# KiCad board amix 68k(r1).kicad_pcb (continued)
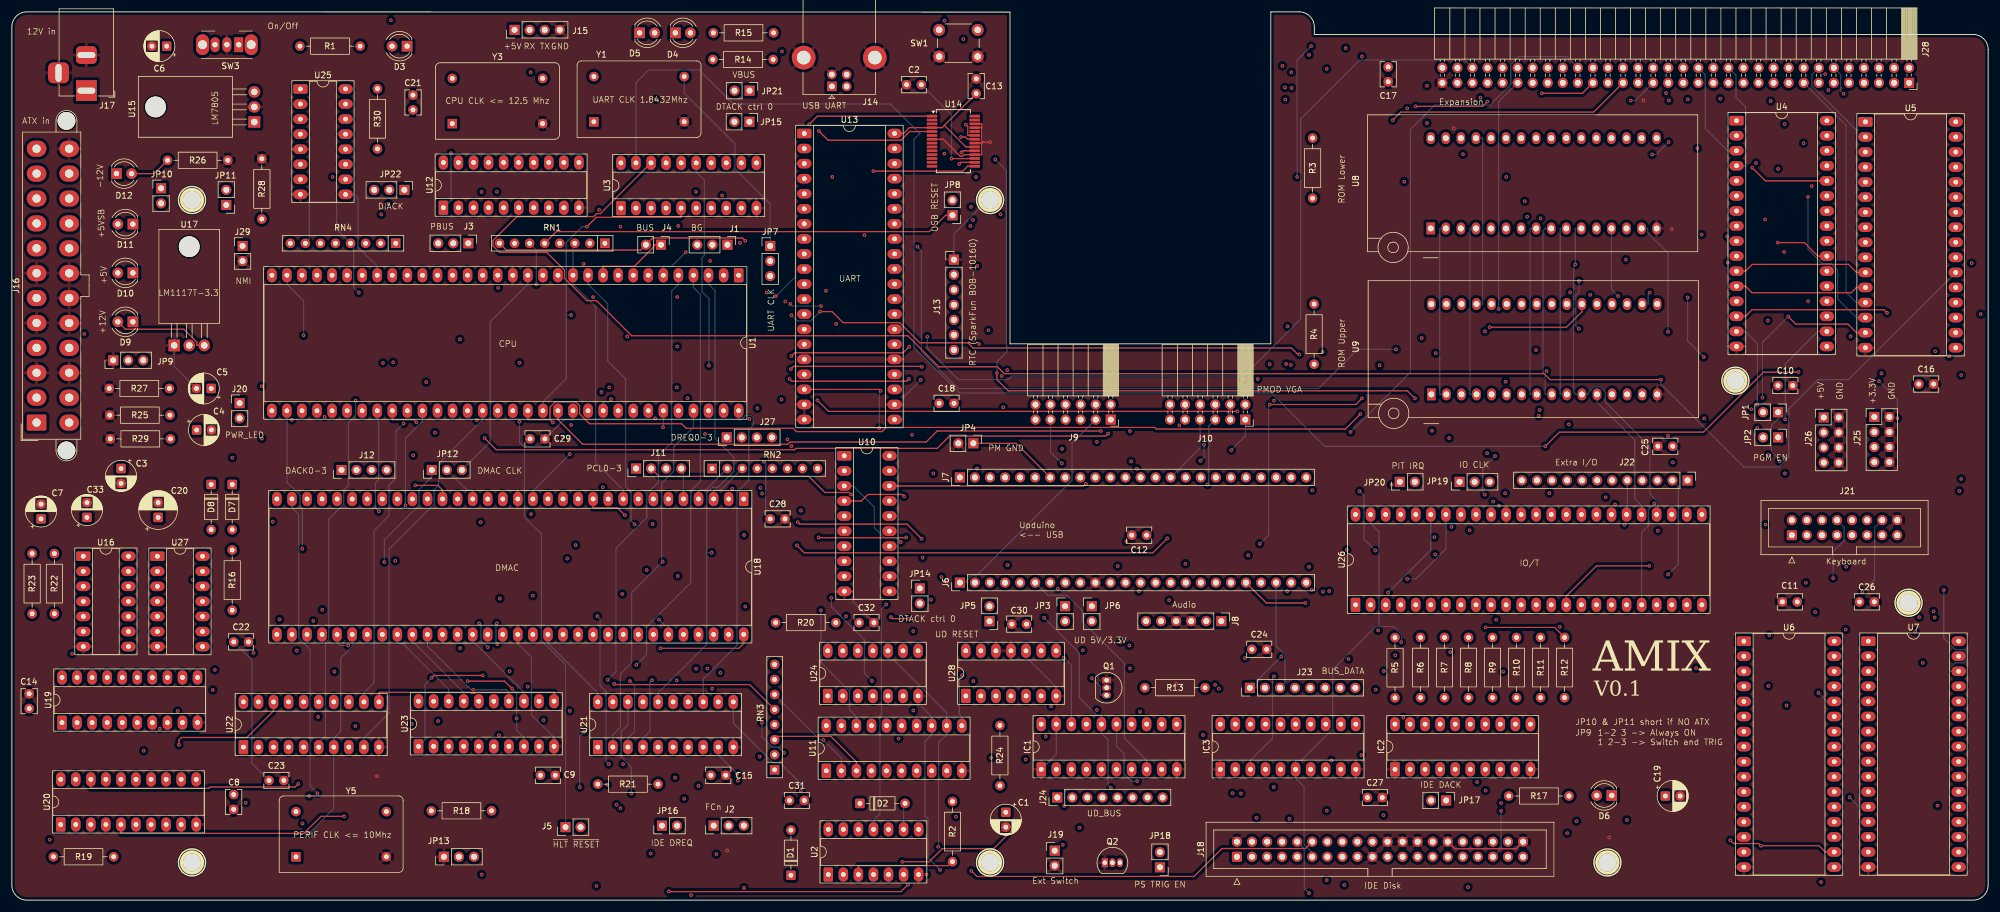
[diagram p0: board, top side]
## Routing (per net, layer and track width the routed paths; a pad name or vN(x,y) marks a point on that pad's centre or on a via; arc(x,y) is an arc through that point) (continued)
~{IRQ_6}: length 310.2
  In1.Cu w0.2: v1(127.32,102.51) 127.32,87.93 130.83,84.42 v1(130.83,77.71) ; v1(214.74,137.1) 215.42,136.42 215.42,123.17 215.01,122.76 215.01,121.26 215.42,120.85 215.42,97.58 215.23,97.39 214.95,97.39 214.6,97.04 214.6,96.52 214.92,96.19 214.92,91.61 212.91,89.6 v1(212.91,84.28)
  In2.Cu w0.2: v1(130.83,77.71) 131.08,77.46 156.91,77.46 158.11,78.66 165.92,78.66 172.04,84.78 177.93,84.78 178.36,85.21 210.89,85.21 211.82,84.28 v1(212.91,84.28) ; v1(127.32,102.51) 97.2,102.51 96.58,101.88 55.41,101.88 52.75,104.54 52.75,107.58 RN4.7 ; v1(214.74,137.1) 216.87,139.23 244.34,139.23 245.05,139.94 245.05,140.72 245.93,141.59 247.75,141.59 J28.58
  Bottom w0.2: RN4.7 50.17,111.48 50.17,131.77 U25.3
~{IRQ_7}: length 30
  In1.Cu w0.2: 50.34,125.45 50.17,125.62 ; 50.34,125.45 50.17,125.62 ; 50.34,125.45 50.57,125.22 50.57,114.42 RN4.8 ; 50.17,125.62 50.17,129.23 U25.4
  In2.Cu w0.2: RN4.8 40.53,110.82 40.07,110.36 J29.1
~{IRQ_PIT}: length 303.3
  Top w0.2: v1(166.17,88.93) 166.17,87.82 168.06,85.93 235.42,85.93 v1(236.68,84.66)
  In1.Cu w0.2: v1(157.32,148.38) 163.21,148.38 165.9,145.7 v1(165.9,124.95) ; v1(63.94,148.43) 61.67,146.16 R30.1 ; RN4.5 53.15,112.26 53.15,132.37 U25.1 ; v1(236.68,84.66) 236.67,84.65 JP20.2
  In2.Cu w0.2: v1(157.32,148.38) 63.98,148.38 v1(63.94,148.43) ; R30.1 61.67,136.97 60.66,137.97 49.79,137.97 U25.1
  Bottom w0.2: v1(166.17,88.93) 166.17,90.82 167.86,92.51 167.86,93.52 167.77,93.61 167.77,123.08 v1(165.9,124.95)
~{IRQ_UART}: length 200.9
  In1.Cu w0.2: v1(143.83,112.19) 143.83,51 146.52,48.31 146.52,39.38 143.89,36.76 143.89,19.47 147.88,15.49 U2.10
  In2.Cu w0.2: U25.11 57.79,124.15 59.26,122.68 59.26,120.05 61.08,118.23 63.42,118.23 63.53,118.34 75.31,118.34 ; U12.2 75.33,118.32 81.44,118.32 81.44,118.32 82.23,118.32 82.24,118.32 91.04,118.32 92.01,117.36 92.01,115.96 95.17,112.8 106.13,112.8 ; 106.23,112.89 106.13,112.8 ; 106.23,112.89 106.13,112.8 ; 106.23,112.89 106.46,113.13 115.01,113.13 115.33,112.8 143.22,112.8 v1(143.83,112.19)
~{IRQX}: length 245.8
  In1.Cu w0.2: v1(162.19,36.95) 162.19,49.17 158.77,52.59 158.77,72.29 160.98,74.51 160.98,81.85 161.34,82.2 161.34,106.24 160.69,106.88 160.69,111.39 157.43,114.66 157.43,125.82 v1(157.31,125.94) ; RN4.2 57.79,115.24 57.79,121.61 U25.10
  In2.Cu w0.2: v1(74.08,126.02) 75.99,127.94 155.31,127.94 v1(157.31,125.94) ; U12.1 61.35,116.82 57.79,120.38 57.79,121.61 U25.10 ; v1(182.18,37.45) 162.69,37.45 v1(162.19,36.95)
  Bottom w0.2: v1(182.18,37.45) 183.62,36.01 183.62,34.57 Q1.3 ; v1(74.08,126.02) 74.08,118.11 U12.1
~{LDS}: length 366.4
  Top w0.2: U11.3 142.47,23.32 138.17,27.62 129.22,27.62 RN3.3
  In1.Cu w0.2: v1(188.61,79.13) 188.82,78.92 v1(188.82,74.02) ; v1(126.27,69.55) 125.97,69.25 125.97,44.92 130.19,40.7 130.19,28.59 RN3.3 ; U3.8 120.52,115.26 116.99,111.73 116.99,108.65 v1(117.78,107.86) ; U1.8 104.82,103.93 100.18,99.29 100.18,84.56 100.86,83.89 100.86,70.81 v1(99.68,69.63) ; v1(262.64,80.27) 263.73,81.36 263.73,102.29 266.22,104.78 266.22,134.86 J28.41
  In2.Cu w0.2: U18.13 92.97,69.18 93.42,69.63 v1(99.68,69.63) 120.89,69.63 121.26,70.01 121.76,70.01 122.14,69.63 126.18,69.63 v1(126.27,69.55) 136.05,69.55 138.92,72.42 U10.2 145.56,72.42 146.83,73.69 162.22,73.69 162.86,74.33 179.13,74.33 179.44,74.02 v1(188.82,74.02) ; U1.8 104.82,106.93 105.75,107.86 v1(117.78,107.86) ; v1(188.61,79.13) 218.67,79.13 219.81,80.27 v1(262.64,80.27)
~{PGM_L}: length 125.1
  In1.Cu w0.2: 295.15,114.74 295.15,114.59 295.51,114.24 295.51,85.41 295.91,85.01 295.91,82.82 295.4,82.32 ; 295.15,114.74 295.11,114.78 ; 295.15,114.74 295.11,114.78 ; 295.11,114.78 295.11,119.1 294.87,119.34 ; 294.48,121.22 294.38,121.32 ; 294.48,121.22 294.78,120.92 294.78,119.43 ; 294.48,121.22 294.38,121.32 ; 294.38,121.32 294.38,124.17 v1(294.22,124.34) ; 294.87,119.34 294.78,119.43 ; 294.87,119.34 294.78,119.43
  In2.Cu w0.2: 240.87,128.32 230.96,118.41 R3.1 ; 240.87,128.32 240.87,128.56 U8.31 ; 240.87,128.32 244.06,125.13 293.16,125.13 293.96,124.34 v1(294.22,124.34)
~{PGM_U}: length 102.9
  In1.Cu w0.2: 241.48,100.57 240.97,100.57 240.97,79.42 v1(242.44,77.95) ; 241.48,100.57 U9.31 241.48,100.57 ; v1(294.44,79.64) 295.4,78.67 295.4,78.07
  In2.Cu w0.2: U9.31 240.97,100.57 240.97,100.77 239.87,101.87 220.97,101.87 R4.1 ; v1(242.44,77.95) 244.13,79.64 v1(294.44,79.64)
~{PPI_CS}: length 127.6
  In1.Cu w0.2: U11.15 150.09,30.94 151.86,30.94 154.37,33.45 154.37,57.02 153.64,57.75 153.64,57.78 v1(153.64,57.78)
  In2.Cu w0.2: 231.87,57.95 238.83,57.95 244.44,63.56 U26.41 ; 231.87,57.95 231.71,57.78 ; 231.87,57.95 231.71,57.78 ; 231.71,57.78 231.54,57.95 209.18,57.95 208.81,57.58 208.31,57.58 208.11,57.78 191.48,57.78 191.08,58.18 185.8,58.18 185.56,57.95 ; 166.9,57.95 167.06,57.78 185.4,57.78 ; 166.9,57.95 166.73,57.78 ; 166.9,57.95 166.73,57.78 ; 185.56,57.95 185.4,57.78 ; 185.56,57.95 185.4,57.78 ; v1(153.64,57.78) 153.64,57.78 166.73,57.78
~{PS_ON}: length 10.8
  In2.Cu w0.2: JP9.2 17.53,93.17 J16.16
~{RAM0_L_CS}: length 284.4
  Top w0.2: v1(301.38,89.11) 301.35,89.07 295.47,89.07 285.35,78.95 261.05,78.95 v1(258.67,76.57)
  In1.Cu w0.2: U4.22 304.67,106.11 301.38,102.82 v1(301.38,89.11)
  Bottom w0.2: v1(258.67,76.57) 221.47,76.57 212.47,85.57 159.85,85.57 152.16,93.26 152.16,128.31 153.17,129.32 148.17,134.32 121.67,134.32 115.95,140.04 107.39,140.04 105.28,137.93 U3.19
~{RAM0_U_CS}: length 314.8
  Top w0.2: U3.18 107.82,124.37 99.27,115.82 98.64,115.82 98.14,115.32 85.2,115.32 81.16,111.28 81.16,110.36 82.25,109.27 90.24,109.27 93.22,106.29 93.22,104.91 97,101.14 98.64,101.14 104.56,95.22 151.12,95.22 156.36,89.98 166.26,89.98 167.42,88.82 258.47,88.82 259.47,87.82 v1(278.17,87.82)
  Bottom w0.2: U5.22 309.83,87.82 304.67,87.82 299.75,82.9 299.75,74.74 298.08,73.07 292.17,73.07 278.17,87.07 v1(278.17,87.82)
~{RAM1_L_CS}: length 292
  In1.Cu w0.2: v1(162.64,122.01) 162.64,116.62 166.99,112.27 166.99,92.25 167.85,91.39 170.32,91.39 170.32,91.39 171.47,91.39 172.06,90.8 172.06,89.83 173.89,88 173.89,63.6 181.51,55.98 181.51,53.19 183.38,51.32 183.38,32.44 v1(183.02,32.08) ; U6.22 305.91,18.28 299.37,24.82 v1(299.37,32.84)
  In2.Cu w0.2: U3.17 110.36,125.88 110.77,126.29 130.56,126.29 131.32,125.53 156.87,125.53 160.39,122.01 v1(162.64,122.01) ; v1(299.37,32.84) 294.35,32.84 293.91,32.4 183.34,32.4 v1(183.02,32.08)
~{RAM1_U_CS}: length 316.2
  In1.Cu w0.2: 325.88,26.82 325.24,27.45 325.24,44.9 329.13,48.79 329.13,70.76 v1(328.82,71.07) ; 325.88,26.82 326.03,26.66 ; 325.88,26.82 326.03,26.66 ; v1(183.01,77.32) 182.38,77.32 179.05,80.65 179.05,81.41 178.06,82.4 177.28,82.4 176.48,83.2 176.48,86.01 172.46,90.03 172.46,90.97 171.64,91.79 171.61,91.82 167.99,91.82 167.39,92.42 167.39,115.08 v1(166.77,115.7) ; 326.03,26.66 326.03,19.16 326.9,18.29 U7.22
  In2.Cu w0.2: v1(328.82,71.07) 327.9,71.99 301.13,71.99 297.39,75.74 282.84,75.74 282.57,75.47 279.69,75.47 279.07,76.09 279.07,77.04 280.03,78 280.03,78.62 279.69,78.96 244.65,78.96 243.01,77.32 201.45,77.32 201.33,77.43 183.12,77.43 v1(183.01,77.32) ; U3.16 112.9,122.88 115.47,120.31 159.31,120.31 163.92,115.7 v1(166.77,115.7)
~{RD_L}: length 319.6
  In1.Cu w0.2: 300.1,79.89 299.96,80.04 ; 300.1,79.89 299.96,80.04 ; 300.1,79.89 300.1,72.99 v1(299.1,71.99) 299.1,58.97 300.06,58.01 300.06,29.2 305.91,23.36 U6.24 ; 299.96,80.04 300.15,80.23 300.15,82.91 296.81,86.25 296.81,87.91 300.37,91.47 300.37,106.89 304.67,111.19 U4.24 ; v1(284.34,126.84) 285.04,126.13 v1(285.04,112.28)
  In2.Cu w0.2: U4.24 304.67,111.19 304.27,111.59 293.21,111.59 292.22,112.58 285.34,112.58 v1(285.04,112.28) ; 232.75,71.89 239.5,71.89 242.01,69.38 247.2,69.38 248.02,70.2 248.02,70.99 251.47,74.44 296.65,74.44 v1(299.1,71.99) ; 232.75,71.89 232.61,71.75 ; 232.75,71.89 232.61,71.75 ; v1(284.34,126.84) 262.15,126.84 260.69,128.3 260.69,128.56 U8.24 ; 223.76,71.58 223.42,71.58 221.59,69.75 219.12,69.75 218.9,69.52 152.44,69.52 149.54,72.42 U10.19 ; 223.76,71.58 223.93,71.74 ; 223.76,71.58 223.93,71.74 ; 223.93,71.75 232.61,71.75
~{RD_U}: length 313.4
  In1.Cu w0.2: U5.24 329.41,110.98 329.41,97.73 329.96,97.19 329.96,89.84 328.82,88.71 v1(328.82,88.57) 328.67,88.42 328.67,72.07 329.53,71.21 329.53,48.95 329.53,48.62 329.29,48.38 328.67,47.76 328.67,47.76 325.64,44.73 325.64,28 326.04,27.6 326.04,27.22 326.05,27.22 326.14,27.12 326.45,26.82 326.45,23.82 326.9,23.37 U7.24 ; U10.17 146.54,67.34 146.54,67.58 146.6,67.63 146.86,67.63 147.21,67.99 147.21,68.39 147.27,68.45 148.57,68.45 149.54,69.42 149.54,72.88 148.9,73.52 147.5,73.52 146.54,74.49 146.54,79.01 147.41,79.88 147.41,81.08 U13.21
  In2.Cu w0.2: 260.79,98.32 256.01,93.55 225.18,93.55 219.96,88.32 211.03,88.32 210.44,88.91 204.74,88.91 204.47,88.64 169.75,88.64 169.65,88.54 ; 260.79,98.32 263.25,98.32 270.59,90.99 328.41,90.99 328.82,90.58 v1(328.82,88.57) ; 260.79,98.32 260.79,100.57 U9.24 ; 169.65,88.54 168.89,87.78 v1(153.31,87.78) ; 169.65,88.54 169.65,88.54 169.65,88.54
  Bottom w0.2: U13.21 150.41,81.08 150.41,84.88 v1(153.31,87.78)
~{RESET}: length 492.7
  Top w0.2: RN1.5 91.85,112.79 154.76,112.79 157.52,115.54 JP8.1
  In1.Cu w0.2: J18.1 198,15.98 198,26.69 196.5,28.19 IC1.11 196.5,31.19 197.56,32.25 197.56,52.06 196.87,52.75 196.87,55.67 v1(197.96,56.76) ; v1(167.95,56.54) 167.95,69.83 168.75,70.63 168.75,82.26 171.66,85.17 171.66,90.63 171.31,90.99 167.25,90.99 164.72,93.52 164.72,95.13 164.72,95.3 164.72,95.3 164.61,95.42 164.49,95.53 163.61,96.41 163.61,106.48 163.61,113.27 v1(162.12,114.76) ; U26.39 249.52,66.56 249.28,66.8 249.28,67.49 249.63,67.85 249.63,68.06 250.81,69.24 v1(250.81,99.73)
  In2.Cu w0.2: U26.39 249.52,63.56 246.18,63.56 239.46,56.84 209.2,56.84 209.13,56.76 v1(197.96,56.76) 191.08,56.76 190.86,56.98 185.93,56.98 185.49,56.54 v1(167.95,56.54) ; RN1.5 87.49,108.43 80.91,108.43 79.42,106.93 U1.18 ; J18.1 203.54,10.44 150.42,10.44 U2.9 150.42,13.44 149.98,13.88 126.32,13.88 126.08,13.64 126.08,13.56 123.94,11.42 120.89,11.42 120.49,11.02 116.32,11.02 113.61,13.73 97.34,13.73 J5.2 ; JP8.1 161.33,115.54 v1(162.12,114.76)
  Bottom w0.2: U2.9 150.42,16.07 D2.2 ; v1(250.81,99.73) 250.81,134.69 J28.53
~{ROM_L_CS}: length 215.1
  In1.Cu w0.2: U8.22 263.73,128.56 263.73,108.32 262.87,107.46 v1(262.87,102.54)
  In2.Cu w0.2: v1(117.59,90.19) 131.63,90.19 131.69,90.13 152.79,90.13 153.3,90.64 203.64,90.64 203.91,90.91 211.27,90.91 211.41,90.77 211.41,90.77 211.56,90.62 211.57,90.62 211.57,90.67 211.92,91.02 212.42,91.02 212.77,90.67 212.77,90.32 214.24,90.32 214.35,90.43 214.35,90.71 214.7,91.06 215.16,91.06 218.07,93.97 247.45,93.97 253.28,99.8 253.28,100.92 254.89,102.54 v1(262.87,102.54)
  Bottom w0.2: v1(117.59,90.19) 117.59,101.46 116.42,102.63 116.42,108.36 116.82,108.77 116.82,121.49 115.44,122.88 U3.15
~{ROM_U_CS}: length 177.7
  Top w0.2: U9.22 264.85,99.27 262.24,96.65 v1(249.28,96.65)
  In1.Cu w0.2: U3.14 117.98,120.7 v1(119.81,118.88) ; v1(161.7,113.74) 162.06,113.38 162.06,106.94 162.81,106.19 162.81,96.08 163.17,95.72 v1(163.17,93.82)
  In2.Cu w0.2: v1(249.28,96.65) 218.75,96.65 214.37,92.27 211.15,92.27 211,92.12 203.41,92.12 203.14,91.84 172.84,91.84 172.83,91.85 165.14,91.85 v1(163.17,93.82) ; v1(119.81,118.88) 129.23,118.88 132.57,115.54 149.43,115.54 151.23,113.74 v1(161.7,113.74)
~{UART_CS}: length 71.9
  In1.Cu w0.2: U13.14 135.17,96.32 137.05,94.45 137.05,49.46 v1(136.48,48.89)
  Bottom w0.2: v1(136.48,48.89) 136.48,40.1 141.27,35.3 141.27,32.14 142.47,30.94 U11.18
~{UDS}: length 388.5
  Top w0.2: J28.39 266.84,132.94 234.29,132.94 v1(232.94,131.58)
  In1.Cu w0.2: v1(232.94,131.58) 225.16,123.8 225.16,59.22 225.17,59.2 v1(225.17,59.1) ; RN3.2 130.6,26.46 130.6,48.45 126.57,52.48 v1(126.57,68.6) ; U3.9 123.06,115.26 122.84,115.04 v1(122.84,110.89) 123.73,110 123.73,81.05 121.94,79.26 121.94,69.83 v1(121.51,69.41)
  In2.Cu w0.2: U11.4 145.01,23.32 144.89,23.2 144.56,23.2 144.04,23.73 129.47,23.73 RN3.2 ; 121.51,69.2 125.76,69.2 126.08,68.89 126.57,68.89 ; 121.51,69.2 100.1,69.2 99.93,69.03 99.43,69.03 99.27,69.18 95.51,69.18 U18.12 ; 121.51,69.2 v1(121.51,69.41) ; v1(122.84,110.89) 122.84,110.55 119.23,106.93 107.36,106.93 U1.7 ; 126.57,68.89 137.92,68.89 138.92,69.88 U10.3 ; 126.57,68.89 v1(126.57,68.6) ; v1(149.95,60.41) 151.25,59.1 v1(225.17,59.1)
  Bottom w0.2: v1(149.95,60.41) 149.22,61.13 147.21,61.13 145.49,62.85 145.49,66.31 141.92,69.88 U10.3
~{VMA}: length 266.9
  In1.Cu w0.2: v1(167.92,89.42) 167.92,89.57 164.32,93.17 164.32,95.13 163.21,96.24 163.21,106.64 v1(162.85,107) ; J3.1 77,109.67 76.88,109.55 U1.19 ; v1(218.81,142.61) 218.81,139.1 216.42,136.7 216.42,135.44 216.27,135.29 216.27,122.88 215.81,122.42 215.81,121.59 216.27,121.14 216.27,92.59 216.17,92.49 216.17,91.68 v1(214.95,90.46)
  In2.Cu w0.2: J28.48 258.71,143.34 227.33,143.34 226.93,142.93 219.14,142.93 v1(218.81,142.61) ; RN1.6 85.81,112.34 79.68,112.34 78.15,110.82 J3.1 ; v1(88.48,103.88) 131.65,103.88 132.98,105.21 143.67,105.21 146.06,107.61 150.69,107.61 151.45,106.85 162.71,106.85 v1(162.85,107) ; v1(167.92,89.42) 167.92,89.59 168.19,89.32 168.73,89.32 169.25,89.84 203.97,89.84 204.24,90.11 210.94,90.11 211.08,89.97 211.08,89.97 211.23,89.82 214.31,89.82 v1(214.95,90.46)
  Bottom w0.2: RN1.6 88.48,109.68 v1(88.48,103.88)
~{VPA}: length 35.2
  In1.Cu w0.2: U1.21 71.8,110.7 J3.3 74.12,113.02 74.12,121.73 75.33,122.94 U12.19
  In2.Cu w0.2: RN1.7 83.68,111.94 81.38,111.94 79.11,109.67 73.07,109.67 J3.3
~{WR_L}: length 266.6
  Top w0.2: v1(181.16,70.25) 180.78,69.88 U10.18
  In1.Cu w0.2: v1(242.85,62.99) 245.31,62.99 v1(245.9,62.4) ; v1(296.31,36.14) 295.82,36.62 v1(295.82,63.37) 295.82,71.66 v1(298.2,74.04) ; v1(297.94,123.38) 298.47,122.85 298.47,109.73 298.36,109.62 298.36,90.95 296.01,88.61 296.01,85.48 297.94,83.54 JP1.1 ; v1(188.01,60.52) 181.16,67.37 v1(181.16,70.25)
  In2.Cu w0.2: v1(296.31,36.14) 296.38,36.06 U6.29 ; v1(297.94,123.38) 304.16,123.38 304.67,123.89 U4.29 ; v1(242.85,62.99) 240.49,60.62 225.57,60.62 225.47,60.73 210.25,60.73 209.96,60.43 188.09,60.43 v1(188.01,60.52) ; v1(295.82,63.37) 295.4,62.94 275.13,62.94 274.59,62.4 v1(245.9,62.4)
  Bottom w0.2: JP1.1 297.94,81.17 296.79,80.02 296.79,75.74 298.2,74.33 v1(298.2,74.04)
~{WR_U}: length 322.8
  Top w0.2: v1(146.55,85.93) 146.32,86.16 U13.18
  In1.Cu w0.2: v1(296.32,75.13) 297.94,76.75 JP2.1 ; U10.16 148.04,65.27 146.13,67.18 146.13,79.46 v1(146.34,79.66)
  In2.Cu w0.2: 332.58,77.71 332.72,77.57 ; 332.58,77.71 299.46,77.71 299.1,78.07 JP2.1 ; 332.58,77.71 332.61,77.71 332.72,77.82 ; 332.72,77.57 332.72,77.82 ; 332.72,77.57 332.72,37.12 332.3,36.7 330.53,36.7 329.9,36.07 U7.29 ; U5.29 332.72,118.86 332.72,77.82 ; v1(250.19,74.92) 296.11,74.92 v1(296.32,75.13) ; v1(248.47,68.42) 248.41,68.36 224.66,68.36 221.11,64.8 U10.16
  Bottom w0.2: v1(248.47,68.42) 248.11,68.77 248.11,72.84 v1(250.19,74.92) ; v1(146.34,79.66) 146.34,85.71 v1(146.55,85.93)
Net-(C1-Pad1): length 185.8
  Top w0.2: R2.1 158,5.82 142.8,5.82 U2.3
  In1.Cu w0.2: 161.51,106.64 162.03,106.12 162.03,90.27 163.21,89.09 ; 161.51,106.64 161.46,106.69 ; 161.51,106.64 161.46,106.69 ; SW1.1 161.52,145.42 161.52,130.59 161.2,130.27 161.2,116.71 161.3,116.62 161.3,114.19 161.1,113.99 161.1,113.11 161.3,112.91 ; 161.3,112.91 161.46,112.74 ; 161.3,112.91 161.46,112.74 ; 163.21,89.09 163.37,88.93 ; 163.21,89.09 163.37,88.93 ; 163.37,88.93 163.37,73.37 v1(162.82,72.81) ; 161.46,106.69 161.46,112.74 ; v1(155.44,71.99) 155.66,71.77 155.66,32.92 154.04,31.29 154.04,26.42 156.27,24.19 156.27,17.07 v1(159.24,14.1) 158.67,13.52 R2.1
  In2.Cu w0.2: C1.1 166.95,14.1 v1(159.24,14.1) ; v1(155.44,71.99) 156.27,72.81 v1(162.82,72.81) ; SW1.1 SW1.1
Net-(D1-K): length 39.6
  In1.Cu w0.2: U2.2 140.26,2.82 140.66,2.42 143.42,2.42 143.42,2.42 144.47,2.42 145.05,1.84 147.36,1.84 148.98,3.46 148.98,5.18 148.13,6.03 146.68,6.03 141.62,11.09 141.62,14.89 D2.1
  In2.Cu w0.2: D1.1 132.81,2.81 140.25,2.81 140.26,2.82 U2.2
Net-(D3-A): length 5.4
  In2.Cu w0.2: D3.2 R1.2
Net-(D4-A): length 6.1
  In1.Cu w0.2: D4.2 114.46,145.62 R14.1
Net-(D4-K): length 67.1
  Top w0.2: U14.23 161.24,129.02 161.24,130.51 v1(160.92,130.84)
  In1.Cu w0.2: v1(160.52,145.26) 160.52,131.24 v1(160.92,130.84)
  In2.Cu w0.2: v1(160.52,145.26) 160.37,145.12 113.95,145.12 113.12,145.95 113.12,146.32 D4.1
Net-(D5-A): length 10.9
  In2.Cu w0.2: D5.2 109.64,147.52 117.14,147.52 R15.1
Net-(D5-K): length 69
  Top w0.2: v1(160.12,128.75) 160.86,128.75 161.24,128.37 U14.22
  In1.Cu w0.2: v1(108.61,135.07) 108.61,142.41 105.9,145.12 D5.1
  In2.Cu w0.2: v1(108.61,135.07) 153.79,135.07 v1(160.12,128.75)
Net-(D6-A): length 4.7
  In2.Cu w0.2: 267.34,17.66 262.76,17.66 R17.1
Net-(D7-A): length 52.7
  In1.Cu w0.2: D7.2 R16.2
  In2.Cu w0.2: U27.3 26.05,52.94 29.86,56.75 34.85,56.75 R16.2 ; C7.1 6.3,65.69 33.98,65.69 D7.2
Net-(D8-A): length 44.7
  In2.Cu w0.2: 12.67,63.67 13.83,62.51 D8.2 29.13,58.02 U27.1 ; 12.67,63.67 8.61,63.67 R23.2 ; 12.67,63.67 C33.1
Net-(D9-K): length 18.3
  In1.Cu w0.2: D9.1 20.42,96.37 24.67,92.12 24.67,83.82 R25.1
Net-(D10-K): length 22.1
  In1.Cu w0.2: R27.1 26.13,86.77 26.13,95.75 20.42,101.46 D10.1
Net-(D11-K): length 22.1
  In2.Cu w0.2: R28.1 41.31,114.05 D11.1
Net-(D12-A): length 7
  Top w0.2: R26.1 24.01,122.57 D12.2
Net-(IC2-B0): length 7.8
  In1.Cu w0.2: R5.1 236.27,31.19 238.39,31.19 IC2.18
Net-(IC2-B1): length 6
  In1.Cu w0.2: IC2.17 240.93,31.19 240.59,31.19 R6.1
Net-(IC2-B2): length 5.2
  In1.Cu w0.2: R7.1 243.47,32.36 IC2.16
Net-(IC2-B3): length 4.6
  In1.Cu w0.2: R8.1 246.01,33.87 IC2.15
Net-(IC2-B4): length 5
  In1.Cu w0.2: IC2.14 248.55,32.94 R9.1
Net-(IC2-B5): length 5.6
  In1.Cu w0.2: IC2.13 251.09,31.43 R10.1
Net-(IC2-B6): length 7
  In1.Cu w0.2: IC2.12 253.63,31.19 254.9,31.19 R11.1
Net-(IC2-B7): length 8.5
  In1.Cu w0.2: IC2.11 256.17,31.19 258.95,31.19 R12.1
Net-(J14-VBUS): length 14.2
  In2.Cu w0.2: J14.1 137.22,137.28 136.51,136.57 JP21.1
Net-(J18-Pin_21): length 95.6
  In2.Cu w0.2: J18.21 230.86,6.12 203.94,6.12 200.03,10.04 140.66,10.04 140.26,10.44 U2.13
Net-(J18-Pin_29): length 10.4
  In1.Cu w0.2: J18.29 241.01,8.53 241.01,14.74 241.94,15.67 JP17.1
Net-(J19-Pin_1): length 355.4
  In1.Cu w0.2: v1(6.38,10.2) 1.79,14.8 1.79,46.69 R23.1 ; R22.2 7.17,56.92 9.74,59.49 9.74,72.34 12.9,75.5 12.9,115.59 18.92,121.61 18.92,137.56 24.89,143.54 24.89,144.78 26.51,146.4 37.75,146.4 38.27,145.87 SW3.1 ; v1(177.29,9.33) 177.07,9.11 177.07,8.36 J19.1
  In2.Cu w0.2: R22.2 R23.1 ; J19.1 193.39,8.36 JP18.2 ; v1(177.29,9.33) 177.01,9.61 6.97,9.61 v1(6.38,10.2)
Net-(J20-Pin_1): length 14.2
  In2.Cu w0.2: J20.1 32.77,83.84 R29.1
Net-(J22-Pin_1): length 44.1
  In1.Cu w0.2: v1(259.36,68.67) 258.4,67.71 258.4,52.59 257.14,51.32 U26.13
  In2.Cu w0.2: J22.1 281.51,70.82 281.51,70.53 279.64,68.67 v1(259.36,68.67)
Net-(J22-Pin_2): length 39.9
  In2.Cu w0.2: 275.62,51.89 275.46,51.72 ; 275.62,51.89 278.68,54.95 v1(279.39,54.95) ; 275.62,51.89 275.46,51.72 ; 275.46,51.72 260.08,51.72 259.68,51.32 U26.14
  Bottom w0.2: v1(279.39,54.95) 281.1,56.67 281.1,69.84 J22.2
Net-(J22-Pin_3): length 32.6
  Top w0.2: v1(276.21,56.4) 267.3,56.4 262.22,51.32 U26.15
  In1.Cu w0.2: v1(276.21,56.4) 276.21,69.22 277.58,70.58 J22.3
Net-(J22-Pin_4): length 25.3
  In1.Cu w0.2: U26.16 264.76,51.32 271.24,57.8 271.24,67.02 J22.4
Net-(J22-Pin_5): length 5.8
  Bottom w0.2: U26.30 272.38,66.56 272.5,66.68 J22.5
Net-(J22-Pin_6): length 5.8
  In1.Cu w0.2: J22.6 269.84,70.7 269.84,65.06 U26.31
Net-(J22-Pin_7): length 5.8
  In1.Cu w0.2: J22.7 267.42,66.68 267.3,66.56 U26.32
Net-(J22-Pin_8): length 38.3
  In1.Cu w0.2: U26.33 264.76,66.56 264.88,66.68 J22.8
  In2.Cu w0.2: 247.77,69.37 263.43,69.37 J22.8 ; 247.77,69.37 247.6,69.21 ; 247.77,69.37 247.6,69.21 ; 247.6,69.21 247.37,68.97 236.64,68.97 235.11,70.49 235.11,70.57 JP20.1
Net-(J22-Pin_9): length 5.8
  In1.Cu w0.2: U26.34 262.22,66.56 262.34,66.68 J22.9
Net-(J22-Pin_10): length 5.9
  In1.Cu w0.2: J22.10 259.96,70.66 259.96,66.84 259.68,66.56 U26.35
Net-(J22-Pin_11): length 5.8
  In1.Cu w0.2: J22.11 257.26,66.68 257.14,66.56 U26.36
Net-(J22-Pin_12): length 5.8
  In1.Cu w0.2: J22.12 254.6,70.7 U26.37
Net-(JP7-C): length 19.8
  In1.Cu w0.2: JP7.2 129.86,105.88 129.86,97.16 132.17,94.85 132.17,91.24 U13.16
Net-(JP8-B): length 11.2
  Top w0.2: v1(160.18,126.15) 160.46,126.42 U14.19
  In1.Cu w0.2: v1(160.18,126.15) 160.41,125.91 160.41,119.83 JP8.2
Net-(JP9-B): length 48.3
  In1.Cu w0.2: U16.5 13.55,47.86 18.07,52.38 18.07,68.41 22.17,72.51 JP9.3
Net-(JP10-B): length 41.5
  In1.Cu w0.2: JP10.2 25.17,98.34 28.67,94.84 28.67,93.59 U17.2 29.92,80.57 C4.1
Net-(JP11-B): length 35.3
  In1.Cu w0.2: 37.54,133.44 36.75,133.44 C6.1 ; 37.54,133.44 39.2,135.11 40.9,135.11 U15.3 ; 37.54,133.44 37.54,121.19 JP11.2
Net-(JP12-C): length 7.3
  Bottom w0.2: U18.19 77.73,69.18 76.77,69.18 JP12.2
Net-(JP13-C): length 9.7
  In1.Cu w0.2: R18.1 75.42,10.41 JP13.2
Net-(JP14-A): length 10.1
  In1.Cu w0.2: JP14.1 153.17,56.09 149.54,59.72 U10.14
Net-(JP15-A): length 7.5
  In1.Cu w0.2: JP15.1 124.42,127.24 123.06,125.88 U3.12
Net-(JP16-B): length 34.3
  In2.Cu w0.2: 122.44,10.85 122.6,11.01 ; 122.44,10.85 122.6,11.01 ; 122.44,10.85 122.2,10.61 114.16,10.61 JP16.2 ; 122.6,11.01 124.1,11.01 126.53,13.44 142.8,13.44 U2.12
Net-(JP18-A): length 7.1
  In2.Cu w0.2: JP18.1 192.52,5.54 191.74,6.32 Q2.3
Net-(JP19-C): length 5.6
  In1.Cu w0.2: U26.40 246.98,70.34 JP19.2
Net-(JP22-C): length 58.5
  In1.Cu w0.2: JP22.2 67.99,115.5 67.99,92.43 75.44,84.98 75.44,74.68 77.07,73.05 77.07,71.06 75.19,69.18 U18.20
Net-(Q1-B): length 6.4
  In2.Cu w0.2: Q1.2 R13.2
Net-(Q2-B): length 25
  In1.Cu w0.2: R24.2 174.78,11.21 181.81,11.21 185.65,7.37 Q2.2
Net-(U2-Pad1): length 9.7
  In2.Cu w0.2: U2.4 145.34,5.82 139.22,5.82 U2.1
Net-(U13-RCLK): length 17.4
  In1.Cu w0.2: U13.9 132.17,109.02 132.17,95.62 133.67,94.12 U13.15
Net-(U14-3V3OUT): length 18.5
  Top w0.2: U14.17 161.24,125.12 161.22,125.1 v1(158.51,125.1)
  Bottom w0.2: v1(158.51,125.1) 158.51,132.48 C2.2
Net-(U16A-C): length 13.6
  In2.Cu w0.2: U16.3 13.55,52.94 14.82,54.21 21.78,54.21 23.05,55.48 U27.2
Net-(U16A-D): length 13.2
  In1.Cu w0.2: U16.6 10.55,45.32 10.55,55.48 U16.2
Net-(U16A-~{S}): length 14.6
  In2.Cu w0.2: U16.4 13.55,50.4 17.36,46.59 21.78,46.59 23.05,45.32 U27.6
Net-(U18-~{DBEN}): length 143.2
  In1.Cu w0.2: U20.19 10.78,21.88 9.86,22.81 9.86,34.36 11,35.5 U19.19
  In2.Cu w0.2: U18.63 120.91,46.32 ; 120.91,46.32 112.81,46.32 112.19,45.7 112.19,44.28 108.72,40.82 83.04,40.82 82.9,40.68 80.83,40.68 80.6,40.92 78.72,40.92 78.48,40.68 55.42,40.68 55.34,40.76 53.51,40.76 53.43,40.68 12.61,40.68 11,39.07 U19.19 ; 120.91,46.32 128.34,46.32 R20.1
Net-(U18-~{DDIR}): length 157.8
  Top w0.2: U18.64 123.45,43.32 122.62,42.49 v1(109.4,42.49)
  In1.Cu w0.2: 9.38,14.3 9.38,29.03 U19.1 8.46,33.67 9.81,35.02 9.81,41.24 v1(10.15,41.58) ; 9.38,14.3 9.38,13.9 U20.1 ; 9.38,14.3 11.23,14.3 12.05,13.48 12.05,12.07 16.8,7.32 R19.1
  In2.Cu w0.2: v1(109.4,42.49) 108.63,41.72 78.67,41.72 78.06,41.1 55.56,41.1 55.5,41.16 53.34,41.16 53.28,41.1 10.63,41.1 v1(10.15,41.58)
Net-(U18-~{HIBYTE}): length 44.8
  In1.Cu w0.2: R21.1 100.09,20.82 100.09,30.64 101.38,31.94 U21.19 ; U18.62 118.37,43.32 118.12,43.07 v1(118.12,35.67)
  In2.Cu w0.2: v1(118.12,35.67) 114.34,35.67 112.81,34.14 112.81,32.7 112.05,31.94 101.38,31.94 U21.19
Net-(U22-LE): length 120.6
  Top w0.2: U23.11 91.46,35.06 78.23,35.06 78.06,34.89 77.56,34.89 77.39,35.06 62.04,35.06 61.92,34.94 U22.11
  In1.Cu w0.2: U23.11 91.46,32.06 94.78,28.74 94.78,6.23 v1(98.61,2.4)
  In2.Cu w0.2: U2.6 150.42,2.82 150,2.4 124.45,2.4 124.16,2.69 98.9,2.69 v1(98.61,2.4)
Net-(U27-Pad4): length 5.5
  In1.Cu w0.2: U27.4 26.05,50.4 26.05,47.86 U27.5
Net-(U28A-Q): length 33.4
  In2.Cu w0.2: R13.1 199.16,37.96 183.82,37.96 182.71,36.85 171.98,36.85 171.08,35.95 U28.5

## Copper pours and planes (outline as drawn; the poured copper is in the pictures)
GND on Top, Bottom, In1.Cu, In2.Cu: -1.08,150.57 170.42,151.57 171.67,95.82 210.17,95.82 210.92,150.82 220.92,150.82 221.17,147.32 335.67,147.57 336.92,-2.43 -2.08,-3.18

## Text on the board
F.Silkscreen: ATX in | 12V in | LM1117T-3.3 | PWR_LED | NMI | On/Off | DACK0-3 | PERIF CLK <= 10Mhz | DIACK | PBUS | CPU CLK <= 12.5 Mhz | DMAC CLK | DMAC | CPU | +5V | RX TX | GND | ~{HLT} ~{RESET} | PCL0-3 | UART CLK 1.8432Mhz | BUS | IDE DREQ | DREQ0-3 | BG | FCn | DTACK ctrl 0 | VBUS | USB UART | UART | UD RESET | PM GND | Upduino / <-- USB | Ext Switch | UD 5V/3.3V | UD_BUS | PS TRIG EN | Audio | PMOD VGA | BUS_DATA | IDE Disk | PIT IRQ | IDE DACK | Expansion | IO CLK | IO/T | Extra I/O | JP10 & JP11 short if NO ATX | JP9	1-2 3 -> Always ON / 1 2-3 -> Switch and TRIG | PGM EN | Keyboard | -12V | +5VSB | +12V | LM7805 | UART CLK | USB RESET | RTC (SparkFun BOB-10160) | ROM Lower | ROM Upper | +5V / GND | +3.3V / GND | V0.1 | AMIX
